# Altium PCB Copy of MFC-Card-Template.PcbDoc (part 1 of 2) (continued)
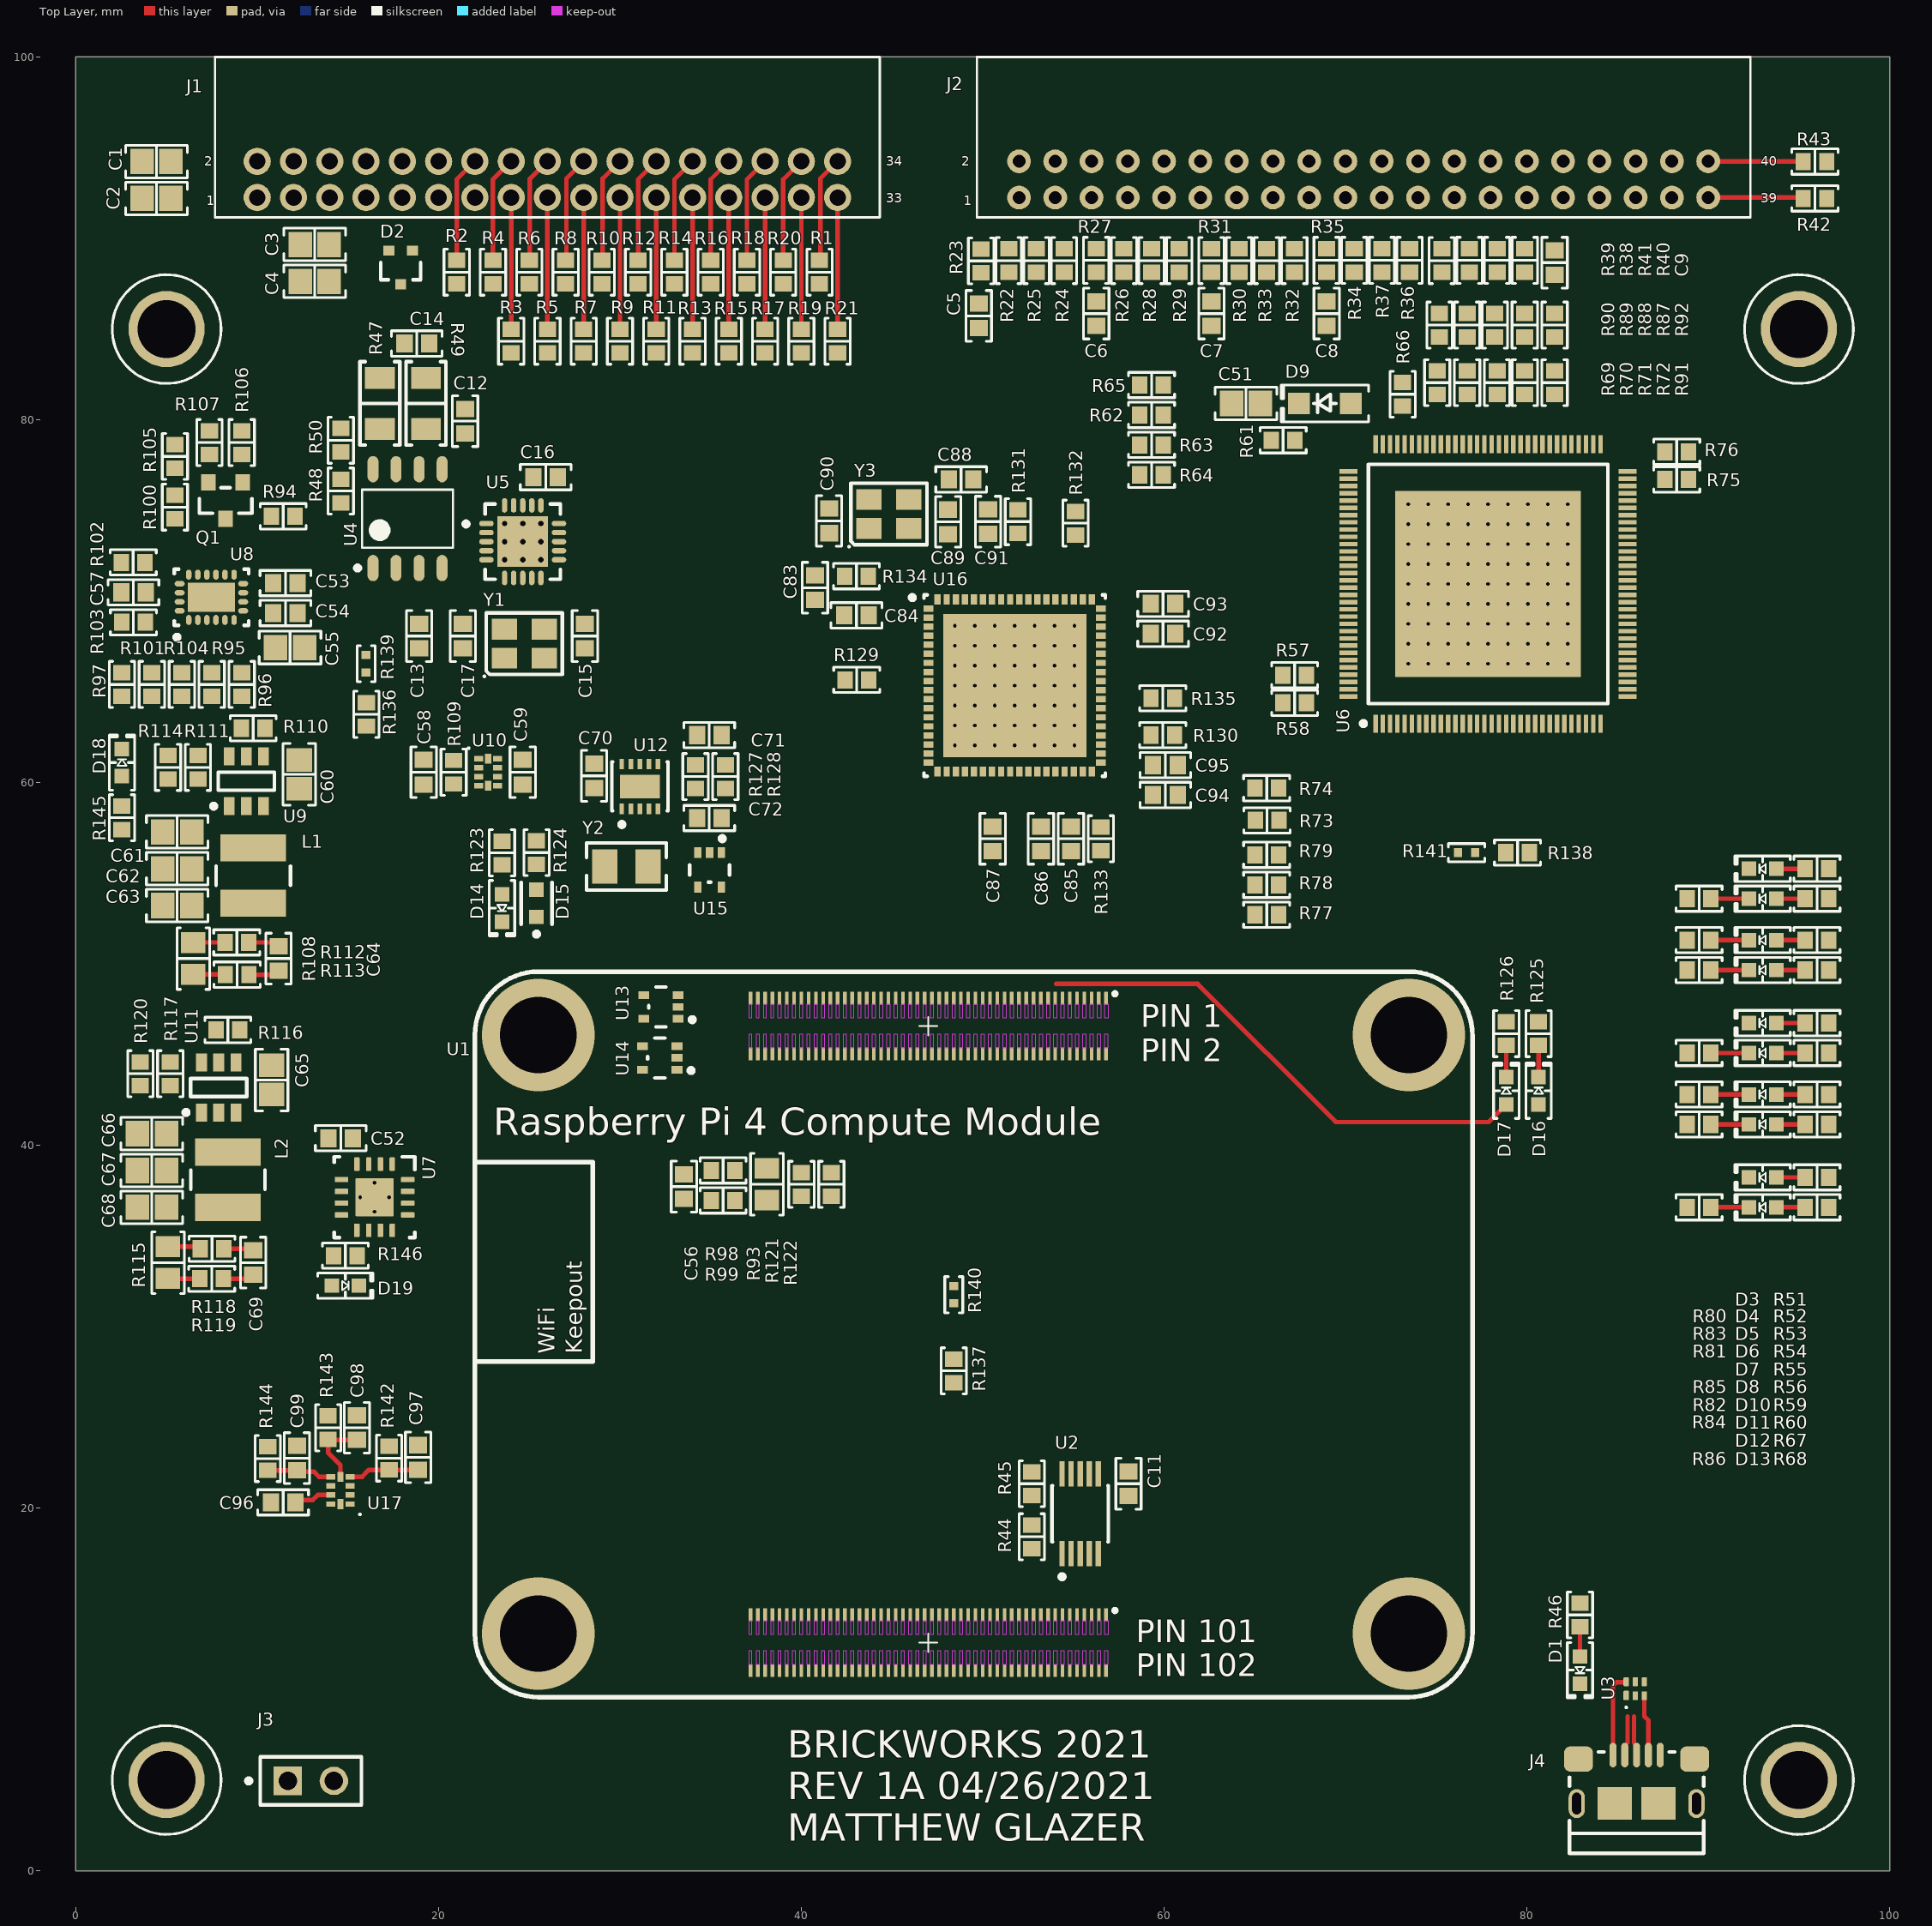
[diagram p0: Top Layer view]
## Footprints (in the part's own frame and the unit in brackets; to place one, negate y for a bottom-side part, rotate by r counter-clockwise, add the part's x,y. Pads: shape width x height; smd on the part's side, far side on the other; paste and mask are expansions set on the pad)
0878333420 [mm] "34 pin milli-grid header, right-angle"
  round 1.5 hole 0.9: 1(0,-2) 2(0,0) 3(2,-2) 4(2,0) 5(4,-2) 6(4,0) 7(6,-2) 8(6,0) 9(8,-2) 10(8,0) 11(10,-2) 12(10,0) 13(12,-2) 14(12,0) 15(14,-2) 16(14,0) 17(16,-2) 18(16,0) 19(18,-2) 20(18,0) 21(20,-2) 22(20,0) 23(22,-2) 24(22,0) 25(24,-2) 26(24,0) 27(26,-2) 28(26,0) 29(28,-2) 30(28,0) 31(30,-2) 32(30,0) 33(32,-2) 34(32,0)
  silkscreen extent -2.32,-3.09 34.33,5.75, body extent -2.32,-2.25 34.33,6.4, height 6.35
0878334020 [mm] "40 pin milli-grid header, right-angle"
  round 1.31 hole 0.71: 1(0,-2) 2(0,0) 3(2,-2) 4(2,0) 5(4,-2) 6(4,0) 7(6,-2) 8(6,0) 9(8,-2) 10(8,0) 11(10,-2) 12(10,0) 13(12,-2) 14(12,0) 15(14,-2) 16(14,0) 17(16,-2) 18(16,0) 19(18,-2) 20(18,0) 21(20,-2) 22(20,0) 23(22,-2) 24(22,0) 25(24,-2) 26(24,0) 27(26,-2) 28(26,0) 29(28,-2) 30(28,0) 31(30,-2) 32(30,0) 33(32,-2) 34(32,0) 35(34,-2) 36(34,0) 37(36,-2) 38(36,0) 39(38,-2) 40(38,0)
  silkscreen extent -2.32,-3.09 40.32,5.75, body extent -2.32,-2.25 40.33,6.4, height 6.35
"ABRACON ABS07" [mm] "Crystal, 2-Leads, Body 3.20x1.50mm, IPC Medium Density"
  rect 1.4x1.9 smd: 1(-1.2,0) 2(1.2,0)
  silkscreen extent -2.2,-1.3 2.2,1.3, body extent -1.62,-0.77 1.63,0.78, height 0.9
"BOURNS SRN4018" [mm] "Power Inductor, 2-Leads, Bourns, SRN4018-220M"
  rect 1.5x3.6 smd: 1(-1.525,0) 2(1.525,0)
  silkscreen extent -0.53,-2.05 0.53,2.05, body extent -2.05,-2.05 2.05,2.05, height 1.8
"CAP 0603_1608" [mm] "Chip Capacitor, 2-Leads, Body 1.60x0.80mm, IPC Medium Density"
  rect 0.9x1 smd: 1(-0.675,0) 2(0.675,0)
  silkscreen extent -1.4,-0.7 1.4,0.7, body extent -0.8,-0.41 0.8,0.41, height 0.82
"CAP 0805_2012" [mm] "Chip Capacitor, 2-Leads, Body 2.00x1.20mm, IPC Medium Density"
  rect 1.3x1.4 smd: 1(-0.8,0) 2(0.8,0)
  silkscreen extent -1.7,-0.9 1.7,0.9, body extent -1,-0.64 1,0.64, height 1.26
DRY0006A [mm] "SON, 6-Leads, Body 1.45x1mm, Pitch 0.5mm"
  rrect33% 0.52x0.3 smd: 1(-0.37,0.5)
  rrect33% 0.49x0.3 smd: 2(-0.385,0) 3(-0.385,-0.5) 4(0.385,-0.5) 5(0.385,0) 6(0.385,0.5)
  silkscreen extent -1.08,0.45 -0.98,0.55, body extent -0.5,-0.72 0.5,0.72, height 0.6
"EPSON TSX-3225" [mm] "Crystal, 4-Leads, Body 2.50x3.20mm, Pitch 2.20mm, IPC Medium Density"
  rect 1.4x1.15 smd: 1(-1.1,-0.8) 2(1.1,-0.8) 3(1.1,0.8) 4(-1.1,0.8)
  silkscreen extent -2.25,-1.85 2.1,1.7, body extent -1.61,-1.26 1.61,1.26, height 0.6
"FCI USB 10118193-0001LF" [mm] "USB 2.0 Type B Micro"
  oval 0.4x1.35 smd: 1(1.3,-2.625) 2(0.65,-2.625) 3(0,-2.625) 4(-0.65,-2.625) 5(-1.3,-2.625)
  oval 0.9x1.6 hole 0.5 slot 1.2 at 90 deg: S(-3.3,0.05) S(3.3,0.05)
  rrect50% 1.6x1.4 smd: S(-3.2,-2.4) S(3.2,-2.4)
  rect 1.9x1.8 smd: S(-1.2,0.05) S(1.2,0.05)
  silkscreen extent -3.7,-2.8 3.7,2.8, body extent -3.93,-2.9 3.93,2.76, height 2.78
FP-846AP-MFG [mm]
  rect 1.4x0.3 smd paste+0 mask+0: 1(-2.2,1) 2(-2.2,0.5) 3(-2.2,0) 4(-2.2,-0.5) 5(-2.2,-1) 6(2.2,-1) 7(2.2,-0.5) 8(2.2,0) 9(2.2,0.5) 10(2.2,1)
  silkscreen extent -3.6,-1.55 1.55,1.55, body extent -3,-1.65 3,1.65, height 0.25
FP-C04-126-MFG [mm]
  rrect100% 0.8x0.3 smd paste+0 mask+0: 1(-2,1) 2(-2,0.5) 3(-2,0) 4(-2,-0.5) 5(-2,-1) 11(2,-1) 12(2,-0.5) 13(2,0) 14(2,0.5) 15(2,1)
  rrect100% 0.3x0.8 smd paste+0 mask+0: 6(-1,-2) 7(-0.5,-2) 8(0,-2) 9(0.5,-2) 10(1,-2) 16(1,2) 17(0.5,2) 18(0,2) 19(-0.5,2) 20(-1,2)
  rect 2.8x2.8 smd paste+0 mask+0: 21(0,0)
  silkscreen extent -3.25,-2.07 2.07,2.07, body extent -2.5,-2.5 2.5,2.5, height 0.25
FP-LTST-C190KFKT-MFG [mm]
  rect 0.8x0.8 smd paste+0 mask+0: 1(-0.75,0) 2(0.75,0)
  silkscreen extent -1.82,-0.85 1.15,0.85, body extent -1.25,-0.55 1.25,0.55, height 0.25
FP-M20-9990246-MFG [mm]
  rect 1.57x1.57 hole 1.02 paste-1000 mask+0: 1(-1.27,0)
  round 1.57 hole 1.02 paste-1000 mask+0: 2(1.27,0)
  silkscreen extent -3.55,-1.32 2.79,1.32, body extent -2.89,-1.42 2.89,1.42, height 0.25
FP-SOT323-MFG [mm]
  rect 0.55x0.6 smd paste-1000 mask+0: 1(-0.925,0.65) 2(-0.925,-0.65) 3(0.925,0)
  silkscreen extent -0.28,-1.1 0.67,1.1, body extent -1.33,-1.2 1.33,1.2, height 0.25
FP-SOT353-MFG [mm]
  rect 0.6x0.42 smd paste+0 mask+0: 1(-0.95,0.65) 2(-0.95,0) 3(-0.95,-0.65) 4(0.95,-0.65) 5(0.95,0.65)
  silkscreen extent -1.85,-1.1 0.67,1.1, body extent -1.35,-1.2 1.35,1.2, height 0.25
FP-SOT1197-1-MFG [mm]
  rect 0.575x0.25 smd paste+0 mask+0: 1(-1.238,1) 2(-1.238,0.5) 3(-1.238,0) 4(-1.238,-0.5) 5(-1.238,-1) 6(1.238,-1) 7(1.238,-0.5) 8(1.238,0) 9(1.238,0.5) 10(1.238,1)
  rect 1.3x2.2 smd paste-1000 mask+0: 11(0,0)
  silkscreen extent -2.22,-1.55 1.35,1.55, body extent -1.65,-1.45 1.65,1.45, height 0.25
"LED 0603_1608 GREEN" [mm] "Chip Diode, 2-Leads, Body 1.60x0.80mm, IPC Medium Density"
  rect 0.8x0.8 smd: 1(-0.75,0) 2(0.75,0)
  silkscreen extent -1.52,-0.7 1.52,0.7, body extent -0.8,-0.4 0.8,0.4, height 0.53
"LED 0603_1608 YELLOW" [mm] "Chip Diode, 2-Leads, Body 1.60x0.80mm, IPC Medium Density"
  rect 0.8x0.8 smd: 1(-0.75,0) 2(0.75,0)
  silkscreen extent -1.52,-0.7 1.52,0.7, body extent -0.8,-0.4 0.8,0.4, height 0.53
"ON SEMI SOT-23-3" [mm] "SOT23, 3-Leads, Body 2.90x2.40mm, Pitch 0.95mm, IPC Medium Density"
  rect 0.9x0.8 smd: 1(-1,0.95) 2(-1,-0.95) 3(1,0)
  silkscreen extent -0.7,-1.45 0.7,1.45, body extent -1.16,-1.45 1.16,1.45, height 1
"PCB - LEADLESS - QFN - MICROCHIP 72-SQFN" [mm]
  rect 0.55x0.35 smd: 1(-4.75,4.25) 2(-4.75,3.75) 3(-4.75,3.25) 4(-4.75,2.75) 5(-4.75,2.25) 6(-4.75,1.75) 7(-4.75,1.25) 8(-4.75,0.75) 9(-4.75,0.25) 10(-4.75,-0.25) 11(-4.75,-0.75) 12(-4.75,-1.25) 13(-4.75,-1.75) 14(-4.75,-2.25) 15(-4.75,-2.75) 16(-4.75,-3.25) 17(-4.75,-3.75) 18(-4.75,-4.25) 37(4.75,-4.25) 38(4.75,-3.75) 39(4.75,-3.25) 40(4.75,-2.75) 41(4.75,-2.25) 42(4.75,-1.75) 43(4.75,-1.25) 44(4.75,-0.75) 45(4.75,-0.25) 46(4.75,0.25) 47(4.75,0.75) 48(4.75,1.25) 49(4.75,1.75) 50(4.75,2.25) 51(4.75,2.75) 52(4.75,3.25) 53(4.75,3.75) 54(4.75,4.25)
  rect 0.35x0.55 smd: 19(-4.25,-4.75) 20(-3.75,-4.75) 21(-3.25,-4.75) 22(-2.75,-4.75) 23(-2.25,-4.75) 24(-1.75,-4.75) 25(-1.25,-4.75) 26(-0.75,-4.75) 27(-0.25,-4.75) 28(0.25,-4.75) 29(0.75,-4.75) 30(1.25,-4.75) 31(1.75,-4.75) 32(2.25,-4.75) 33(2.75,-4.75) 34(3.25,-4.75) 35(3.75,-4.75) 36(4.25,-4.75) 55(4.25,4.75) 56(3.75,4.75) 57(3.25,4.75) 58(2.75,4.75) 59(2.25,4.75) 60(1.75,4.75) 61(1.25,4.75) 62(0.75,4.75) 63(0.25,4.75) 64(-0.25,4.75) 65(-0.75,4.75) 66(-1.25,4.75) 67(-1.75,4.75) 68(-2.25,4.75) 69(-2.75,4.75) 70(-3.25,4.75) 71(-3.75,4.75) 72(-4.25,4.75)
  rect 7.9x7.9 smd: 73(0,0)
  silkscreen extent -5.77,-5 5,5, body extent -5,-5 5,5, height 0.99
"PCB - LEADLESS - QFN - TI 20-WQFN" [mm] "PQFN, 20-Leads, Body 3.00x4.00mm, Pitch 0.50mm, Thermal Pad 1.60x2.60mm, IPC Medium Density"
  oval 0.55x0.3 smd: 1(-1.25,1.25) 2(-1.25,0.75) 3(-1.25,0.25) 4(-1.25,-0.25) 5(-1.25,-0.75) 6(-1.25,-1.25) 11(1.25,-1.25) 12(1.25,-0.75) 13(1.25,-0.25) 14(1.25,0.25) 15(1.25,0.75) 16(1.25,1.25)
  oval 0.3x0.55 smd: 7(-0.75,-1.75) 8(-0.25,-1.75) 9(0.25,-1.75) 10(0.75,-1.75) 17(0.75,1.75) 18(0.25,1.75) 19(-0.25,1.75) 20(-0.75,1.75)
  rect 1.6x2.6 smd: 21(0,0)
  silkscreen extent -2.32,-2.05 1.55,2.05, body extent -1.5,-2 1.5,2, height 0.8
"PCB - LEADLESS - QFN - TI X2QFN-10" [mm]
  rect 0.5x0.3 smd: 1(-0.525,0.75) 2(-0.525,0.25) 3(-0.525,-0.25) 4(-0.525,-0.75) 6(0.525,-0.75) 7(0.525,-0.25) 8(0.525,0.25) 9(0.525,0.75)
  rect 0.35x0.55 smd: 5(0,-0.75) 10(0,0.75)
  silkscreen extent -1.12,1.28 -1.02,1.37, body extent -0.75,-1 0.75,1, height 0.4
"PCB - LEADS - QFP - Microchip 128-TQFP" [mm]
  rect 1x0.25 smd: 1(-7.7,6.2) 2(-7.7,5.8) 3(-7.7,5.4) 4(-7.7,5) 5(-7.7,4.6) 6(-7.7,4.2) 7(-7.7,3.8) 8(-7.7,3.4) 9(-7.7,3) 10(-7.7,2.6) 11(-7.7,2.2) 12(-7.7,1.8) 13(-7.7,1.4) 14(-7.7,1) 15(-7.7,0.6) 16(-7.7,0.2) 17(-7.7,-0.2) 18(-7.7,-0.6) 19(-7.7,-1) 20(-7.7,-1.4) 21(-7.7,-1.8) 22(-7.7,-2.2) 23(-7.7,-2.6) 24(-7.7,-3) 25(-7.7,-3.4) 26(-7.7,-3.8) 27(-7.7,-4.2) 28(-7.7,-4.6) 29(-7.7,-5) 30(-7.7,-5.4) 31(-7.7,-5.8) 32(-7.7,-6.2) 65(7.7,-6.2) 66(7.7,-5.8) 67(7.7,-5.4) 68(7.7,-5) 69(7.7,-4.6) 70(7.7,-4.2) 71(7.7,-3.8) 72(7.7,-3.4) 73(7.7,-3) 74(7.7,-2.6) 75(7.7,-2.2) 76(7.7,-1.8) 77(7.7,-1.4) 78(7.7,-1) 79(7.7,-0.6) 80(7.7,-0.2) 81(7.7,0.2) 82(7.7,0.6) 83(7.7,1) 84(7.7,1.4) 85(7.7,1.8) 86(7.7,2.2) 87(7.7,2.6) 88(7.7,3) 89(7.7,3.4) 90(7.7,3.8) 91(7.7,4.2) 92(7.7,4.6) 93(7.7,5) 94(7.7,5.4) 95(7.7,5.8) 96(7.7,6.2)
  rect 0.25x1 smd: 33(-6.2,-7.7) 34(-5.8,-7.7) 35(-5.4,-7.7) 36(-5,-7.7) 37(-4.6,-7.7) 38(-4.2,-7.7) 39(-3.8,-7.7) 40(-3.4,-7.7) 41(-3,-7.7) 42(-2.6,-7.7) 43(-2.2,-7.7) 44(-1.8,-7.7) 45(-1.4,-7.7) 46(-1,-7.7) 47(-0.6,-7.7) 48(-0.2,-7.7) 49(0.2,-7.7) 50(0.6,-7.7) 51(1,-7.7) 52(1.4,-7.7) 53(1.8,-7.7) 54(2.2,-7.7) 55(2.6,-7.7) 56(3,-7.7) 57(3.4,-7.7) 58(3.8,-7.7) 59(4.2,-7.7) 60(4.6,-7.7) 61(5,-7.7) 62(5.4,-7.7) 63(5.8,-7.7) 64(6.2,-7.7) 97(6.2,7.7) 98(5.8,7.7) 99(5.4,7.7) 100(5,7.7) 101(4.6,7.7) 102(4.2,7.7) 103(3.8,7.7) 104(3.4,7.7) 105(3,7.7) 106(2.6,7.7) 107(2.2,7.7) 108(1.8,7.7) 109(1.4,7.7) 110(1,7.7) 111(0.6,7.7) 112(0.2,7.7) 113(-0.2,7.7) 114(-0.6,7.7) 115(-1,7.7) 116(-1.4,7.7) 117(-1.8,7.7) 118(-2.2,7.7) 119(-2.6,7.7) 120(-3,7.7) 121(-3.4,7.7) 122(-3.8,7.7) 123(-4.2,7.7) 124(-4.6,7.7) 125(-5,7.7) 126(-5.4,7.7) 127(-5.8,7.7) 128(-6.2,7.7)
  rect 10.25x10.25 smd: 129(0,0)
  silkscreen extent -7.82,-6.6 6.6,7, body extent -8,-8 8,8, height 1.2
"PCB - LEADS - SOIC - TI SOIC-8" [mm] "SOIC, 8-Leads, Body 4.91x3.90mm, Pitch 1.27mm, IPC Medium Density"
  oval 1.45x0.6 smd: 1(-2.725,1.905) 2(-2.725,0.635) 3(-2.725,-0.635) 4(-2.725,-1.905) 5(2.725,-1.905) 6(2.725,-0.635) 7(2.725,0.635) 8(2.725,1.905)
  silkscreen extent -2.85,-2.5 1.6,2.88, body extent -3.01,-2.45 3.01,2.45, height 1.63
"PCB - LEADS - SOT- TI TSOT-23-6" [mm]
  rect 1x0.6 smd: 1(-1.375,0.95) 2(-1.375,0) 3(-1.375,-0.95) 4(1.375,-0.95) 5(1.375,0) 6(1.375,0.95)
  silkscreen extent -1.5,-1.55 0.5,1.92, body extent -1.4,-1.45 1.4,1.45, height 1.1
"PCB - SOM - Pi4 Compute Module" [mm]
  rect 0.2x0.7 smd: 1(34.8,38.54) 2(34.8,35.46) 3(34.4,38.54) 4(34.4,35.46) 5(34,38.54) 6(34,35.46) 7(33.6,38.54) 8(33.6,35.46) 9(33.2,38.54) 10(33.2,35.46) 11(32.8,38.54) 12(32.8,35.46) 13(32.4,38.54) 14(32.4,35.46) 15(32,38.54) 16(32,35.46) 17(31.6,38.54) 18(31.6,35.46) 19(31.2,38.54) 20(31.2,35.46) 21(30.8,38.54) 22(30.8,35.46) 23(30.4,38.54) 24(30.4,35.46) 25(30,38.54) 26(30,35.46) 27(29.6,38.54) 28(29.6,35.46) 29(29.2,38.54) 30(29.2,35.46) 31(28.8,38.54) 32(28.8,35.46) 33(28.4,38.54) 34(28.4,35.46) 35(28,38.54) 36(28,35.46) 37(27.6,38.54) 38(27.6,35.46) 39(27.2,38.54) 40(27.2,35.46) 41(26.8,38.54) 42(26.8,35.46) 43(26.4,38.54) 44(26.4,35.46) 45(26,38.54) 46(26,35.46) 47(25.6,38.54) 48(25.6,35.46) 49(25.2,38.54) 50(25.2,35.46) 51(24.8,38.54) 52(24.8,35.46) 53(24.4,38.54) 54(24.4,35.46) 55(24,38.54) 56(24,35.46) 57(23.6,38.54) 58(23.6,35.46) 59(23.2,38.54) 60(23.2,35.46) 61(22.8,38.54) 62(22.8,35.46) 63(22.4,38.54) 64(22.4,35.46) 65(22,38.54) 66(22,35.46) 67(21.6,38.54) 68(21.6,35.46) 69(21.2,38.54) 70(21.2,35.46) 71(20.8,38.54) 72(20.8,35.46) 73(20.4,38.54) 74(20.4,35.46) 75(20,38.54) 76(20,35.46) 77(19.6,38.54) 78(19.6,35.46) 79(19.2,38.54) 80(19.2,35.46) 81(18.8,38.54) 82(18.8,35.46) 83(18.4,38.54) 84(18.4,35.46) 85(18,38.54) 86(18,35.46) 87(17.6,38.54) 88(17.6,35.46) 89(17.2,38.54) 90(17.2,35.46) 91(16.8,38.54) 92(16.8,35.46) 93(16.4,38.54) 94(16.4,35.46) 95(16,38.54) 96(16,35.46) 97(15.6,38.54) 98(15.6,35.46) 99(15.2,38.54) 100(15.2,35.46) 101(34.8,4.54) 102(34.8,1.46) 103(34.4,4.54) 104(34.4,1.46) 105(34,4.54) 106(34,1.46) 107(33.6,4.54) 108(33.6,1.46) 109(33.2,4.54) 110(33.2,1.46) 111(32.8,4.54) 112(32.8,1.46) 113(32.4,4.54) 114(32.4,1.46) 115(32,4.54) 116(32,1.46) 117(31.6,4.54) 118(31.6,1.46) 119(31.2,4.54) 120(31.2,1.46) 121(30.8,4.54) 122(30.8,1.46) 123(30.4,4.54) 124(30.4,1.46) 125(30,4.54) 126(30,1.46) 127(29.6,4.54) 128(29.6,1.46) 129(29.2,4.54) 130(29.2,1.46) 131(28.8,4.54) 132(28.8,1.46) 133(28.4,4.54) 134(28.4,1.46) 135(28,4.54) 136(28,1.46) 137(27.6,4.54) 138(27.6,1.46) 139(27.2,4.54) 140(27.2,1.46) 141(26.8,4.54) 142(26.8,1.46) 143(26.4,4.54) 144(26.4,1.46) 145(26,4.54) 146(26,1.46) 147(25.6,4.54) 148(25.6,1.46) 149(25.2,4.54) 150(25.2,1.46) 151(24.8,4.54) 152(24.8,1.46) 153(24.4,4.54) 154(24.4,1.46) 155(24,4.54) 156(24,1.46) 157(23.6,4.54) 158(23.6,1.46) 159(23.2,4.54) 160(23.2,1.46) 161(22.8,4.54) 162(22.8,1.46) 163(22.4,4.54) 164(22.4,1.46) 165(22,4.54) 166(22,1.46) 167(21.6,4.54) 168(21.6,1.46) 169(21.2,4.54) 170(21.2,1.46) 171(20.8,4.54) 172(20.8,1.46) 173(20.4,4.54) 174(20.4,1.46) 175(20,4.54) 176(20,1.46) 177(19.6,4.54) 178(19.6,1.46) 179(19.2,4.54) 180(19.2,1.46) 181(18.8,4.54) 182(18.8,1.46) 183(18.4,4.54) 184(18.4,1.46) 185(18,4.54) 186(18,1.46) 187(17.6,4.54) 188(17.6,1.46) 189(17.2,4.54) 190(17.2,1.46) 191(16.8,4.54) 192(16.8,1.46) 193(16.4,4.54) 194(16.4,1.46) 195(16,4.54) 196(16,1.46) 197(15.6,4.54) 198(15.6,1.46) 199(15.2,4.54) 200(15.2,1.46)
  Keep-Out Layer region: 25.1,3.461 25.301,3.461 25.301,4.19 25.1,4.19
  Keep-Out Layer region: 24.7,3.461 24.9,3.461 24.9,4.19 24.7,4.19
  Keep-Out Layer region: 24.3,3.46 24.5,3.46 24.5,4.19 24.3,4.19
  Keep-Out Layer region: 23.9,3.46 24.099,3.46 24.099,4.19 23.9,4.19
  Keep-Out Layer region: 23.5,3.461 23.696,3.461 23.696,4.19 23.5,4.19
  Keep-Out Layer region: 23.1,3.46 23.298,3.46 23.298,4.19 23.1,4.19
  Keep-Out Layer region: 22.7,3.46 22.898,3.46 22.898,4.19 22.7,4.19
  Keep-Out Layer region: 22.3,3.461 22.496,3.461 22.496,4.19 22.3,4.19
  Keep-Out Layer region: 21.9,3.461 22.095,3.461 22.095,4.19 21.9,4.19
  Keep-Out Layer region: 21.5,3.46 21.695,3.46 21.695,4.19 21.5,4.19
  Keep-Out Layer region: 21.1,3.46 21.297,3.46 21.297,4.19 21.1,4.19
  Keep-Out Layer region: 20.7,3.46 20.895,3.46 20.895,4.19 20.7,4.19
  Keep-Out Layer region: 20.3,3.46 20.496,3.46 20.496,4.19 20.3,4.19
  Keep-Out Layer region: 19.9,3.461 20.089,3.461 20.089,4.19 19.9,4.19
  Keep-Out Layer region: 19.5,3.461 19.69,3.461 19.69,4.19 19.5,4.19
  Keep-Out Layer region: 19.1,3.461 19.286,3.461 19.286,4.19 19.1,4.19
  Keep-Out Layer region: 18.7,3.461 18.884,3.461 18.884,4.19 18.7,4.19
  Keep-Out Layer region: 18.3,3.461 18.486,3.461 18.486,4.19 18.3,4.19
  Keep-Out Layer region: 17.9,3.461 18.084,3.461 18.084,4.19 17.9,4.19
  Keep-Out Layer region: 17.5,3.461 17.687,3.461 17.687,4.19 17.5,4.19
  Keep-Out Layer region: 17.1,3.461 17.281,3.461 17.281,4.19 17.1,4.19
  Keep-Out Layer region: 16.7,3.46 16.896,3.46 16.896,4.19 16.7,4.19
  Keep-Out Layer region: 16.3,3.461 16.474,3.461 16.474,4.19 16.3,4.19
  Keep-Out Layer region: 15.9,3.461 16.08,3.461 16.08,4.19 15.9,4.19
  Keep-Out Layer region: 15.5,3.461 15.676,3.461 15.676,4.19 15.5,4.19
  Keep-Out Layer region: 15.1,3.461 15.276,3.461 15.276,4.19 15.1,4.19
  Keep-Out Layer region: 25.5,3.46 25.701,3.46 25.701,4.19 25.5,4.19
  Keep-Out Layer region: 25.9,3.46 26.102,3.46 26.102,4.19 25.9,4.19
  Keep-Out Layer region: 26.3,3.461 26.504,3.461 26.504,4.19 26.3,4.19
  Keep-Out Layer region: 26.7,3.46 26.902,3.46 26.902,4.19 26.7,4.19
  Keep-Out Layer region: 27.1,3.461 27.305,3.461 27.305,4.19 27.1,4.19
  Keep-Out Layer region: 27.5,3.461 27.708,3.461 27.708,4.19 27.5,4.19
  Keep-Out Layer region: 27.9,3.461 28.11,3.461 28.11,4.19 27.9,4.19
  Keep-Out Layer region: 28.3,3.46 28.501,3.46 28.501,4.19 28.3,4.19
  Keep-Out Layer region: 28.7,3.46 28.906,3.46 28.906,4.19 28.7,4.19
  Keep-Out Layer region: 29.1,3.46 29.306,3.46 29.306,4.19 29.1,4.19
  Keep-Out Layer region: 29.5,3.461 29.709,3.461 29.709,4.19 29.5,4.19
  Keep-Out Layer region: 29.9,3.461 30.115,3.461 30.115,4.19 29.9,4.19
  Keep-Out Layer region: 30.3,3.461 30.516,3.461 30.516,4.19 30.3,4.19
  Keep-Out Layer region: 30.7,3.461 30.914,3.461 30.914,4.19 30.7,4.19
  Keep-Out Layer region: 31.1,3.461 31.317,3.461 31.317,4.19 31.1,4.19
  Keep-Out Layer region: 31.5,3.461 31.721,3.461 31.721,4.19 31.5,4.19
  Keep-Out Layer region: 31.9,3.46 32.111,3.46 32.111,4.19 31.9,4.19
  Keep-Out Layer region: 32.3,3.46 32.508,3.46 32.508,4.19 32.3,4.19
  Keep-Out Layer region: 32.7,3.46 32.909,3.46 32.909,4.19 32.7,4.19
  Keep-Out Layer region: 33.1,3.46 33.314,3.46 33.314,4.19 33.1,4.19
  Keep-Out Layer region: 33.5,3.461 33.719,3.461 33.719,4.19 33.5,4.19
  Keep-Out Layer region: 33.9,3.461 34.119,3.461 34.119,4.19 33.9,4.19
  Keep-Out Layer region: 34.3,3.461 34.531,3.461 34.531,4.19 34.3,4.19
  Keep-Out Layer region: 34.7,3.461 34.93,3.461 34.93,4.19 34.7,4.19
  Keep-Out Layer region: 25.1,1.807 25.301,1.807 25.301,2.54 25.1,2.54
  Keep-Out Layer region: 24.7,1.808 24.9,1.808 24.9,2.54 24.7,2.54
  Keep-Out Layer region: 24.3,1.809 24.5,1.809 24.5,2.54 24.3,2.54
  Keep-Out Layer region: 23.9,1.807 24.098,1.807 24.098,2.54 23.9,2.54
  Keep-Out Layer region: 23.5,1.807 23.697,1.807 23.697,2.54 23.5,2.54
  Keep-Out Layer region: 23.1,1.807 23.296,1.807 23.296,2.54 23.1,2.54
  Keep-Out Layer region: 22.7,1.807 22.895,1.807 22.895,2.54 22.7,2.54
  Keep-Out Layer region: 22.3,1.809 22.499,1.809 22.499,2.54 22.3,2.54
  Keep-Out Layer region: 21.9,1.807 22.093,1.807 22.093,2.54 21.9,2.54
  Keep-Out Layer region: 21.5,1.807 21.693,1.807 21.693,2.54 21.5,2.54
  Keep-Out Layer region: 21.1,1.806 21.29,1.806 21.29,2.54 21.1,2.54
  Keep-Out Layer region: 20.7,1.809 20.898,1.809 20.898,2.54 20.7,2.54
  Keep-Out Layer region: 20.3,1.808 20.495,1.808 20.495,2.54 20.3,2.54
  Keep-Out Layer region: 19.9,1.809 20.098,1.809 20.098,2.54 19.9,2.54
  Keep-Out Layer region: 19.5,1.806 19.684,1.806 19.684,2.54 19.5,2.54
  Keep-Out Layer region: 19.1,1.807 19.288,1.807 19.288,2.54 19.1,2.54
  Keep-Out Layer region: 18.7,1.807 18.885,1.807 18.885,2.54 18.7,2.54
  Keep-Out Layer region: 18.3,1.808 18.488,1.808 18.488,2.54 18.3,2.54
  Keep-Out Layer region: 17.9,1.807 18.082,1.807 18.082,2.54 17.9,2.54
  Keep-Out Layer region: 17.5,1.806 17.677,1.806 17.677,2.54 17.5,2.54
  Keep-Out Layer region: 17.1,1.807 17.284,1.807 17.284,2.54 17.1,2.54
  Keep-Out Layer region: 16.7,1.807 16.88,1.807 16.88,2.54 16.7,2.54
  Keep-Out Layer region: 16.3,1.806 16.476,1.806 16.476,2.54 16.3,2.54
  Keep-Out Layer region: 15.9,1.807 16.081,1.807 16.081,2.54 15.9,2.54
  Keep-Out Layer region: 15.5,1.809 15.696,1.809 15.696,2.54 15.5,2.54
  Keep-Out Layer region: 15.1,1.806 15.27,1.806 15.27,2.54 15.1,2.54
  Keep-Out Layer region: 25.5,1.808 25.701,1.808 25.701,2.54 25.5,2.54
  Keep-Out Layer region: 25.9,1.808 26.102,1.808 26.102,2.54 25.9,2.54
  Keep-Out Layer region: 26.3,1.809 26.501,1.809 26.501,2.54 26.3,2.54
  Keep-Out Layer region: 26.7,1.806 26.905,1.806 26.905,2.54 26.7,2.54
  Keep-Out Layer region: 27.1,1.808 27.303,1.808 27.303,2.54 27.1,2.54
  Keep-Out Layer region: 27.5,1.806 27.71,1.806 27.71,2.54 27.5,2.54
  Keep-Out Layer region: 27.9,1.809 28.103,1.809 28.103,2.54 27.9,2.54
  Keep-Out Layer region: 28.3,1.806 28.512,1.806 28.512,2.54 28.3,2.54
  Keep-Out Layer region: 28.7,1.806 28.911,1.806 28.911,2.54 28.7,2.54
  Keep-Out Layer region: 29.1,1.809 29.304,1.809 29.304,2.54 29.1,2.54
  Keep-Out Layer region: 29.5,1.807 29.71,1.807 29.71,2.54 29.5,2.54
  Keep-Out Layer region: 29.9,1.807 30.111,1.807 30.111,2.54 29.9,2.54
  Keep-Out Layer region: 30.3,1.805 30.521,1.805 30.521,2.54 30.3,2.54
  Keep-Out Layer region: 30.7,1.807 30.914,1.807 30.914,2.54 30.7,2.54
  Keep-Out Layer region: 31.1,1.808 31.31,1.808 31.31,2.54 31.1,2.54
  Keep-Out Layer region: 31.5,1.807 31.717,1.807 31.717,2.54 31.5,2.54
  Keep-Out Layer region: 31.9,1.807 32.117,1.807 32.117,2.54 31.9,2.54
  Keep-Out Layer region: 32.3,1.807 32.514,1.807 32.514,2.54 32.3,2.54
  Keep-Out Layer region: 32.7,1.807 32.921,1.807 32.921,2.54 32.7,2.54
  Keep-Out Layer region: 33.1,1.807 33.317,1.807 33.317,2.54 33.1,2.54
  Keep-Out Layer region: 33.5,1.807 33.719,1.807 33.719,2.54 33.5,2.54
  Keep-Out Layer region: 33.9,1.809 34.102,1.809 34.102,2.54 33.9,2.54
  Keep-Out Layer region: 34.3,1.809 34.51,1.809 34.51,2.54 34.3,2.54
  Keep-Out Layer region: 34.7,1.809 34.907,1.809 34.907,2.54 34.7,2.54
  Keep-Out Layer region: 34.7,35.809 34.907,35.809 34.907,36.54 34.7,36.54
  Keep-Out Layer region: 34.3,35.809 34.51,35.809 34.51,36.54 34.3,36.54
  Keep-Out Layer region: 33.9,35.81 34.102,35.81 34.102,36.54 33.9,36.54
  Keep-Out Layer region: 33.5,35.807 33.719,35.807 33.719,36.54 33.5,36.54
  Keep-Out Layer region: 33.1,35.808 33.317,35.808 33.317,36.54 33.1,36.54
  Keep-Out Layer region: 32.7,35.807 32.921,35.807 32.921,36.54 32.7,36.54
  Keep-Out Layer region: 32.3,35.808 32.514,35.808 32.514,36.54 32.3,36.54
  Keep-Out Layer region: 31.9,35.807 32.117,35.807 32.117,36.54 31.9,36.54
  Keep-Out Layer region: 31.5,35.807 31.717,35.807 31.717,36.54 31.5,36.54
  Keep-Out Layer region: 31.1,35.808 31.31,35.808 31.31,36.54 31.1,36.54
  Keep-Out Layer region: 30.7,35.807 30.914,35.807 30.914,36.54 30.7,36.54
  Keep-Out Layer region: 30.3,35.805 30.521,35.805 30.521,36.54 30.3,36.54
  Keep-Out Layer region: 29.9,35.808 30.111,35.808 30.111,36.54 29.9,36.54
  Keep-Out Layer region: 29.5,35.808 29.71,35.808 29.71,36.54 29.5,36.54
  Keep-Out Layer region: 29.1,35.809 29.303,35.809 29.303,36.54 29.1,36.54
  Keep-Out Layer region: 28.7,35.807 28.911,35.807 28.911,36.54 28.7,36.54
  Keep-Out Layer region: 28.3,35.806 28.512,35.806 28.512,36.54 28.3,36.54
  Keep-Out Layer region: 27.9,35.809 28.103,35.809 28.103,36.54 27.9,36.54
  Keep-Out Layer region: 27.5,35.806 27.709,35.806 27.709,36.54 27.5,36.54
  Keep-Out Layer region: 27.1,35.809 27.303,35.809 27.303,36.54 27.1,36.54
  Keep-Out Layer region: 26.7,35.807 26.905,35.807 26.905,36.54 26.7,36.54
  Keep-Out Layer region: 26.3,35.809 26.501,35.809 26.501,36.54 26.3,36.54
  Keep-Out Layer region: 25.9,35.808 26.102,35.808 26.102,36.54 25.9,36.54
  Keep-Out Layer region: 25.5,35.808 25.701,35.808 25.701,36.54 25.5,36.54
  Keep-Out Layer region: 15.1,35.806 15.27,35.806 15.27,36.54 15.1,36.54
  Keep-Out Layer region: 15.5,35.809 15.695,35.809 15.695,36.54 15.5,36.54
  Keep-Out Layer region: 15.9,35.807 16.08,35.807 16.08,36.54 15.9,36.54
  Keep-Out Layer region: 16.3,35.807 16.476,35.807 16.476,36.54 16.3,36.54
  Keep-Out Layer region: 16.7,35.807 16.88,35.807 16.88,36.54 16.7,36.54
  Keep-Out Layer region: 17.1,35.808 17.284,35.808 17.284,36.54 17.1,36.54
  Keep-Out Layer region: 17.5,35.806 17.677,35.806 17.677,36.54 17.5,36.54
  Keep-Out Layer region: 17.9,35.807 18.082,35.807 18.082,36.54 17.9,36.54
  Keep-Out Layer region: 18.3,35.808 18.488,35.808 18.488,36.54 18.3,36.54
  Keep-Out Layer region: 18.7,35.807 18.885,35.807 18.885,36.54 18.7,36.54
  Keep-Out Layer region: 19.1,35.808 19.288,35.808 19.288,36.54 19.1,36.54
  Keep-Out Layer region: 19.5,35.806 19.684,35.806 19.684,36.54 19.5,36.54
  Keep-Out Layer region: 19.9,35.81 20.098,35.81 20.098,36.54 19.9,36.54
  Keep-Out Layer region: 20.3,35.809 20.495,35.809 20.495,36.54 20.3,36.54
  Keep-Out Layer region: 20.7,35.809 20.898,35.809 20.898,36.54 20.7,36.54
  Keep-Out Layer region: 21.1,35.807 21.29,35.807 21.29,36.54 21.1,36.54
  Keep-Out Layer region: 21.5,35.807 21.693,35.807 21.693,36.54 21.5,36.54
  Keep-Out Layer region: 21.9,35.807 22.092,35.807 22.092,36.54 21.9,36.54
  Keep-Out Layer region: 22.3,35.809 22.499,35.809 22.499,36.54 22.3,36.54
  Keep-Out Layer region: 22.7,35.807 22.895,35.807 22.895,36.54 22.7,36.54
  Keep-Out Layer region: 23.1,35.807 23.296,35.807 23.296,36.54 23.1,36.54
  Keep-Out Layer region: 23.5,35.807 23.697,35.807 23.697,36.54 23.5,36.54
  Keep-Out Layer region: 23.9,35.807 24.098,35.807 24.098,36.54 23.9,36.54
  Keep-Out Layer region: 24.3,35.809 24.5,35.809 24.5,36.54 24.3,36.54
  Keep-Out Layer region: 24.7,35.808 24.9,35.808 24.9,36.54 24.7,36.54
  Keep-Out Layer region: 25.1,35.807 25.301,35.807 25.301,36.54 25.1,36.54
  Keep-Out Layer region: 34.7,37.461 34.93,37.461 34.93,38.19 34.7,38.19
  Keep-Out Layer region: 34.3,37.461 34.531,37.461 34.531,38.19 34.3,38.19
  Keep-Out Layer region: 33.9,37.461 34.119,37.461 34.119,38.19 33.9,38.19
  Keep-Out Layer region: 33.5,37.461 33.718,37.461 33.718,38.19 33.5,38.19
  Keep-Out Layer region: 33.1,37.461 33.314,37.461 33.314,38.19 33.1,38.19
  Keep-Out Layer region: 32.7,37.46 32.909,37.46 32.909,38.19 32.7,38.19
  Keep-Out Layer region: 32.3,37.461 32.508,37.461 32.508,38.19 32.3,38.19
  Keep-Out Layer region: 31.9,37.461 32.11,37.461 32.11,38.19 31.9,38.19
  Keep-Out Layer region: 31.5,37.461 31.721,37.461 31.721,38.19 31.5,38.19
  Keep-Out Layer region: 31.1,37.461 31.316,37.461 31.316,38.19 31.1,38.19
  Keep-Out Layer region: 30.7,37.461 30.914,37.461 30.914,38.19 30.7,38.19
  Keep-Out Layer region: 30.3,37.461 30.516,37.461 30.516,38.19 30.3,38.19
  Keep-Out Layer region: 29.9,37.461 30.115,37.461 30.115,38.19 29.9,38.19
  Keep-Out Layer region: 29.5,37.461 29.709,37.461 29.709,38.19 29.5,38.19
  Keep-Out Layer region: 29.1,37.461 29.306,37.461 29.306,38.19 29.1,38.19
  Keep-Out Layer region: 28.7,37.461 28.906,37.461 28.906,38.19 28.7,38.19
  Keep-Out Layer region: 28.3,37.46 28.501,37.46 28.501,38.19 28.3,38.19
  Keep-Out Layer region: 27.9,37.462 28.11,37.462 28.11,38.19 27.9,38.19
  Keep-Out Layer region: 27.5,37.461 27.708,37.461 27.708,38.19 27.5,38.19
  Keep-Out Layer region: 27.1,37.461 27.305,37.461 27.305,38.19 27.1,38.19
  Keep-Out Layer region: 26.7,37.461 26.902,37.461 26.902,38.19 26.7,38.19
  Keep-Out Layer region: 26.3,37.461 26.504,37.461 26.504,38.19 26.3,38.19
  Keep-Out Layer region: 25.9,37.461 26.102,37.461 26.102,38.19 25.9,38.19
  Keep-Out Layer region: 25.5,37.461 25.701,37.461 25.701,38.19 25.5,38.19
  Keep-Out Layer region: 15.1,37.461 15.276,37.461 15.276,38.19 15.1,38.19
  Keep-Out Layer region: 15.5,37.461 15.676,37.461 15.676,38.19 15.5,38.19
  Keep-Out Layer region: 15.9,37.461 16.08,37.461 16.08,38.19 15.9,38.19
  Keep-Out Layer region: 16.3,37.461 16.474,37.461 16.474,38.19 16.3,38.19
  Keep-Out Layer region: 16.7,37.46 16.896,37.46 16.896,38.19 16.7,38.19
  Keep-Out Layer region: 17.1,37.461 17.281,37.461 17.281,38.19 17.1,38.19
  Keep-Out Layer region: 17.5,37.461 17.687,37.461 17.687,38.19 17.5,38.19
  Keep-Out Layer region: 17.9,37.461 18.083,37.461 18.083,38.19 17.9,38.19
  Keep-Out Layer region: 18.3,37.461 18.486,37.461 18.486,38.19 18.3,38.19
  Keep-Out Layer region: 18.7,37.461 18.883,37.461 18.883,38.19 18.7,38.19
  Keep-Out Layer region: 19.1,37.461 19.286,37.461 19.286,38.19 19.1,38.19
  Keep-Out Layer region: 19.5,37.461 19.69,37.461 19.69,38.19 19.5,38.19
  Keep-Out Layer region: 19.9,37.461 20.089,37.461 20.089,38.19 19.9,38.19
  Keep-Out Layer region: 20.3,37.46 20.496,37.46 20.496,38.19 20.3,38.19
  Keep-Out Layer region: 20.7,37.461 20.895,37.461 20.895,38.19 20.7,38.19
  Keep-Out Layer region: 21.1,37.46 21.297,37.46 21.297,38.19 21.1,38.19
  Keep-Out Layer region: 21.5,37.461 21.695,37.461 21.695,38.19 21.5,38.19
  Keep-Out Layer region: 21.9,37.461 22.095,37.461 22.095,38.19 21.9,38.19
  Keep-Out Layer region: 22.3,37.461 22.495,37.461 22.495,38.19 22.3,38.19
  Keep-Out Layer region: 22.7,37.46 22.898,37.46 22.898,38.19 22.7,38.19
  Keep-Out Layer region: 23.1,37.461 23.298,37.461 23.298,38.19 23.1,38.19
  Keep-Out Layer region: 23.5,37.461 23.696,37.461 23.696,38.19 23.5,38.19
  Keep-Out Layer region: 23.9,37.46 24.099,37.46 24.099,38.19 23.9,38.19
  Keep-Out Layer region: 24.3,37.46 24.5,37.46 24.5,38.19 24.3,38.19
  Keep-Out Layer region: 24.7,37.461 24.9,37.461 24.9,38.19 24.7,38.19
  Keep-Out Layer region: 25.1,37.461 25.301,37.461 25.301,38.19 25.1,38.19
  silkscreen extent 0,0 55,40, body extent 0.72,0.72 54.28,39.28, height 3.03
"PTC 0402_1005" [mm] "Chip Thermistor, 2-Leads, Body 1.02x0.51mm, IPC Medium Density"
  rect 0.45x0.5 smd: 1(-0.475,0) 2(0.475,0)
  silkscreen extent -1,-0.5 1,0.5, body extent -0.5,-0.26 0.5,0.26, height 0.52
"RES 0603_1608" [mm] "Chip Resistor, 2-Leads, Body 1.60x0.80mm, IPC Medium Density"
  rect 0.85x0.95 smd: 1(-0.65,0) 2(0.65,0)
  silkscreen extent -1.27,-0.7 1.27,0.7, body extent -0.8,-0.4 0.8,0.4, height 0.45
"RES 0805_2012" [mm] "Chip Resistor, 2-Leads, Body 2.00x1.25mm, IPC Medium Density"
  rect 1.15x1.35 smd: 1(-0.875,0) 2(0.875,0)
  silkscreen extent -1.7,-0.9 1.7,0.9, body extent -1,-0.62 1,0.63, height 0.6